# Allegro board MK60_PACK_V30A.brd (continued)
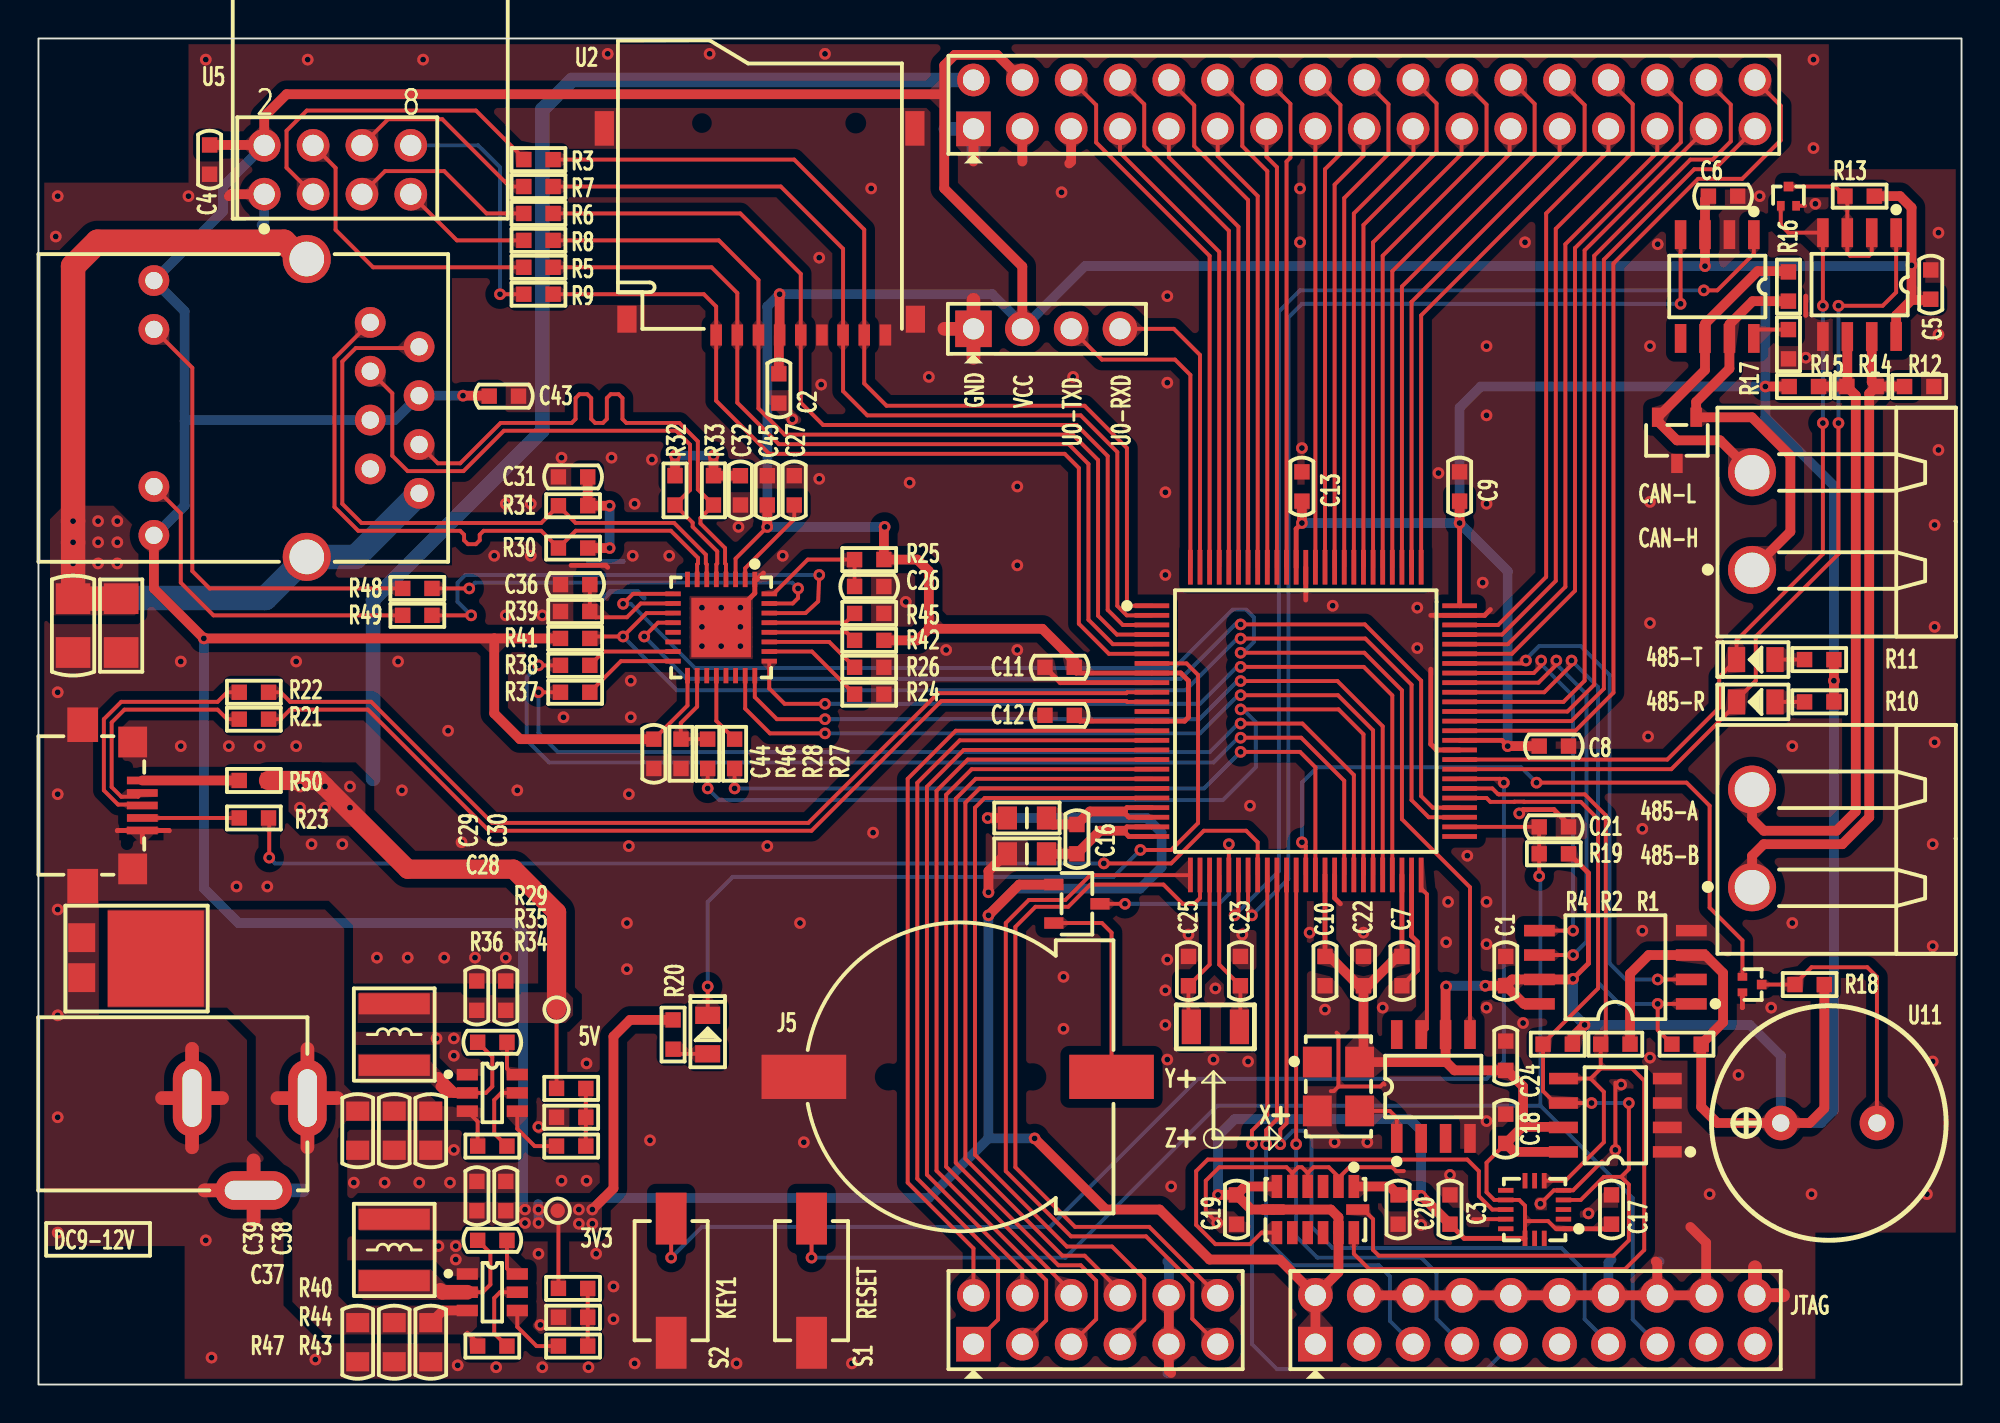
[diagram p0: board, top side]
## Routing (per net, layer and track width the routed paths; a pad name or vN(x,y) marks a point on that pad's centre or on a via; arc(x,y) is an arc through that point)
GND: length 172.6
  TOP w0.203: U9.5 65.2,11 ; 65.2,11 65.5,11.3 65.7,11.3 66,11 ; 65.2,11 64.9,11.3 61.4,11.3 60.7,10.6 60.7,9 v1(61.3,8.4) ; 67.5,18.3 67.6,18.2 67.6,15.5 ; Q1.2 91.87,61.3 ; U10.12 74.6,8.6 ; U9.2 67.6,10.73 ; 67.6,10.73 68.17,11.3 70.4,11.3 70.6,11.1 71,11.1 ; 67.6,10.73 67.6,10.8 67.1,11.3 66.3,11.3 66,11 ; 67.6,15.5 67.36,15.26 67.2,15.26 ; 67.6,15.5 69.78,15.5 69.94,15.66 70,15.6 ; 66,11 U9.4 ; 81.3,11.6 79.8,10.1 U10.5 78.8,10.1 v1(78.1,9.4) ; v1(82,12.2) 82,15.7
  TOP w0.254: 88.6,19.6 88.61,19.61 Q2.2 ; 91.9,56.6 91.9,55.6 ; 67.7,25 67.4,25.3 U1.41 ; C7.1 71.7,21.54 71.7,23.02 71.4,23.32 U1.49 ; USB1.5 6.79,28.81 6.8,28.8 ; USB1.5 4.11,28.81 4.1,28.8 ; USB1.5 5.4,28.2 ; U1.9 53.14,36.5 C11.1 ; 37.7,42.2 37.37,41.87 U13.1 37.25,41.15 v1(36.5,40.4) ; 72.4,40 U1.74 75.2,40 75.5,40.3 ; C21.2 79.56,29.14 78.8,29.9 77.2,29.9 v1(77,29.7) ; 27.7,42.6 29.5,42.6 29.6,42.5 ; 72.4,37.2 72.4,33.3 72.7,33 U1.60 ; U1.88 65.9,40.8
  TOP w0.508: J7.16 J7.14 J7.12 J7.10 J7.8 J7.6 J7.4 ; J7.16 84.18,6.32 84.1,6.4 ; J7.16 J7.18 86.72,7.37 85.9,8.2 ; v1(49.4,25.6) 49.4,26.7 50.3,27.6 L2.1 ; J1.10 J1.9 58.78,0.72 58.9,0.6 ; J2.3 51.16,63.6 ; 53.6,63.5 53.7,63.6 J2.5 ; J2.1 48.62,63.6 ; U5.1 10,61.9 9.9,61.8
  TOP w0.711: DC1.2 7.99,17.46 ; DC1.2 9.55,14.9 ; DC1.2 7.99,12.34 ; DC1.2 6.43,14.9 ; DC1.3 11.19,11.66 ; DC1.3 11.19,8.54 ; DC1.3 8.63,10.1 ; 48.62,53.39 J6.1 ; J6.1 48.62,56.41 ; J6.1 47.11,54.9 ; 90.72,4.64 J7.20 89.26,6.1
  BOTTOM w0.254: 31.5,40.9 31.16,41.23 29.73,41.23 29.3,40.8 29.2,40.8 ; 28.6,42.8 30.4,42.8 30.4,42.8
  BOTTOM w0.508: J2.3 51.16,63.74 51.2,63.7 ; J2.5 53.7,63.74 ; 84.3,6.4 84.18,6.28 J7.16 ; 58.7,0.6 58.78,0.68 J1.9 J1.10 58.78,6.32 58.7,6.4 ; 11.6,60.3 11.74,60.44 U5.1 ; J7.14 81.64,6.34 81.8,6.5 ; J7.18 86.72,6.28
  BOTTOM w0.711: DC1.3 11.19,11.66 ; DC1.3 8.63,10.1 ; DC1.3 11.19,8.54 ; DC1.3 13.75,10.1 ; DC1.2 9.55,14.9 ; DC1.2 7.99,17.46 ; DC1.2 7.99,12.34 ; DC1.2 6.43,14.9 ; 48.62,53.39 J6.1 47.11,54.9 ; 89.26,6.1 J7.20 90.72,4.64 ; 48.62,63.84 J2.1 47.16,65.3
  vias: v1(0.9,59.7) v1(1,61.8) v1(1,36) v1(1,30.7) v1(1,24.7) v1(1,19.2) v1(1,13.9) v1(1,7.9) v1(7.4,37.6) v1(7.4,33.2) v1(7.8,61.8) v1(8.7,68.9) v1(8.7,7.5) v1(9,1.4) v1(9.9,33.2) v1(10.3,25.9) v1(11.5,33.2) v1(11.9,25.9) v1(13.4,37.6) v1(13.4,33.2) v1(14,68.9) v1(14.2,28.1) v1(14.4,1.3) v1(15.8,28.1) v1(16.4,10.5) v1(17.6,22.2) v1(18,10.5) v1(18.7,37.6) v1(18.9,30.9) v1(19.2,22.2) v1(19.8,10.5) v1(20,68.9) v1(20.7,18) v1(20.8,7.2) v1(21.1,22.2) v1(21.3,34) v1(21.4,10.5) v1(21.6,18) v1(21.6,17.1) v1(21.6,12.2) v1(21.7,7.2) v1(21.7,6.5) v1(21.8,1) v1(22,28.2) v1(22.7,22.2) v1(23.7,43.1) v1(23.8,0.9) v1(24.3,45.8) v1(24.3,40) v1(24.3,22.2) v1(24.9,30.9) v1(25.6,45.8) v1(25.6,43.1) v1(26,13.4) v1(26,6.8) v1(26.1,3.1) v1(26.2,40) v1(26.2,0.9) v1(27.2,48.2) v1(27.2,10.6) v1(27.3,34.7) v1(28.5,16.7) v1(28.5,10.6) v1(28.6,0.9) v1(29,6.8) v1(29.6,69.2) v1(29.8,48.2) v1(29.9,5.1) v1(29.9,3.4) v1(30.6,24) v1(30.6,21.6) v1(30.7,30.7) v1(30.7,28) v1(30.8,36.6) v1(30.8,34.7) v1(30.9,43.1) v1(31,45.8) v1(31,1.1) v1(31.8,12.7) v1(31.9,48.1) v1(32.8,43.1) v1(34.5,40.4) v1(34.5,39.4) v1(34.5,38.4) v1(34.9,69.2) v1(35.5,40.4) v1(35.5,38.4) v1(36.3,1.1) v1(36.4,44.6) v1(36.5,39.4) v1(36.5,38.4) v1(37.9,28) v1(38.7,43.1) v1(39.2,50.2) v1(39.6,24) v1(39.8,12.6) v1(40.6,58.6) v1(40.6,47.1) v1(40.7,52) v1(40.9,69.2) v1(42.3,1.1) v1(43.3,62.2) v1(43.4,28.7) v1(45.1,40.7) v1(45.3,46.9) v1(46.3,52.4) v1(47.2,38.2) v1(50.9,46.7) v1(50.9,42.6) v1(50.9,38.2) v1(53.2,62) v1(53.3,21.2) v1(53.3,18.5) v1(53.8,52.4) v1(58.6,46.4) v1(58.6,42.1) v1(58.6,20.5) v1(58.6,18.7) v1(58.7,56.6) v1(58.7,52.1) v1(58.7,22.1) v1(58.7,16.9) v1(58.9,10.3) v1(59.8,23.4) v1(61.1,16.9) v1(61.2,20.6) v1(62.6,23.4) v1(62.9,16.8) v1(63,30.1) v1(65.6,62.2) v1(65.6,59.4) v1(65.7,48.7) v1(66.1,23.5) v1(66.9,19.5) v1(67.3,40.5) v1(67.4,12.6) v1(68.9,23.5) v1(69.1,12.6) v1(69.9,19.6) v1(71.7,40.4) v1(71.7,38.3) v1(71.9,8.3) v1(72.8,47.4) v1(73.2,23) v1(73.3,25.1) v1(73.4,10.9) v1(74.3,27.5) v1(75.1,41.7) v1(75.3,54) v1(75.3,50.4) v1(75.3,45.8) v1(75.3,25.1) v1(75.3,22.9) v1(75.3,19.6) v1(75.3,13.7) v1(77.2,18.8) v1(77.3,59.4) v1(80.6,8.9) v1(82.3,15.6) v1(83.4,28.9) v1(83.4,23.6) v1(83.7,33.7) v1(83.8,54) v1(83.8,45.9) v1(83.8,39.6) v1(83.8,17) v1(84.2,59.3) v1(86.9,9.9) v1(88.4,16.1) v1(89.5,61.8) v1(90.1,19.6) v1(91.2,33.2) v1(91.2,24) v1(91.9,53.4) v1(92.2,9.9) v1(92.3,68.9) v1(92.3,64.3) v1(92.4,61.4) v1(98.2,9.9) v1(98.5,28.1) v1(98.5,22.8) v1(98.5,16.8) v1(98.6,44.7) v1(98.6,39.4) v1(98.6,33.4) v1(98.8,59.9) v1(98.8,54.6) v1(98.8,48.6)
GND_EARTH: length 52.9
  TOP w1.27: J8.13 13.67,58.53 12.77,59.43 3.07,59.43 1.8,58.16 v1(1.8,44.9) v1(1.8,43.8) v1(1.8,42.7) C46.2 R51.1
  BOTTOM w1.27: J8.8 16.49,43.04 J8.14 13.94,43.04 11.8,40.9 2,40.9
  vias: v1(3.1,44.9) v1(3.1,43.8) v1(3.1,42.7) v1(4.1,44.9) v1(4.1,43.8) v1(4.1,42.7)
VBAT: length 11.1
  TOP w0.203: U1.30 v1(61.9,28.1) ; v1(56.5,25) D3.3
  BOTTOM w0.203: v1(56.5,25) 61.4,25 61.9,25.5 v1(61.9,28.1)
VCC_3.3V: length 689.5
  TOP w0.203: v1(37.9,44.6) 36.25,42.95 U13.3 ; 77.3,8.5 78.5,8.5 78.9,8.1 U10.1 ; 77.3,8.5 77.3,9.3 77,9.6 U10.10 75.7,9.6 75.3,10 75.3,11.54 C18.1 ; 77.3,8.5 U10.14 ; C44.2 33.75,35.31 U13.17 ; R40.1 27.04,8.37
  TOP w0.254: U1.61 76.1,33.5 v1(76.4,33.2) ; C3.2 74.14,7.6 U10.14 ; C12.2 54.16,34.5 U1.13 59.6,34.5 59.8,34.7 59.8,36.6 59.4,37 U1.8 53.96,37 53.86,37.1 C11.2 ; v1(79.8,21.1) 80.6,21.9 80.6,26.6 79.6,27.6 R19.2 ; U1.89 65.4,44.5 v1(65.7,44.8) ; C17.1 81.56,8.1 U10.1 ; U1.75 v1(73.9,44.8) ; U1.48 C7.2 ; U1.40 C10.2
  TOP w0.508: v1(22.08,51.42) 23.41,51.42 C43.1 ; 47.1,67.1 12.9,67.1 11.74,65.94 U5.2 11.72,64.46 C4.1 ; 47.1,67.1 47.1,68.6 47.65,69.15 49.85,69.15 J2.4 ; 47.1,67.1 47.1,62.2 51.16,58.14 J6.2 ; R41.1 23.7,38.8 ; 23.7,38.8 23.7,34.9 25.04,33.56 C44.2 ; 23.7,38.8 v1(8.6,38.8) 6,41.4 J8.12 ; C20.1 70.76,9.8 v1(71.9,9.8) ; C20.1 70.26,10.3 U9.1 ; C20.1 71.88,9.86 C3.2 ; 78.05,19.8 77.24,19.8 C1.1 ; C2.2 38.5,54.54 U2.4 v1(38.54,56.7) ; J7.2 64.54,6.5 60.9,6.5 58.3,9.1 55.5,9.1 v1(51.8,12.8) ; J7.2 67.6,5.84 U9.12 67.6,8.7 67.2,9.1 U9.7 63.06,9.1 C19.1 ; J7.2 J7.1 ; R18.1 92.86,14.36 92.1,13.6 U11.1 87.3,13.6 86.46,14.44 R1.1 87.6,18.84 87.6,21.4 86.67,22.34 U3.3 83.73,22.34 82.76,21.36 R2.2 ; 97.4,56.4 98.36,56.4 C5.2 ; 97.4,56.4 v1(97.4,58.2) 97.4,61.2 96.8,61.8 R13.1 ; 97.4,56.4 96.6,55.6 U6.8 ; C11.2 53.86,37.64 52.2,39.3 46.3,39.3 ; 46.3,39.3 46.3,42.3 45.7,42.9 R25.1 43.96,44.56 v1(44,44.6) ; 46.3,39.3 45.7,38.7 R42.2 ; R10.2 v1(93.36,36.6) R11.2 ; C22.2 68.9,16.97 X2.4 73.14,16.77 73.17,16.8 ; C22.2 68.66,20.74 67.14,22.26 C10.2 ; C22.2 69.14,20.74 70.66,22.26 C7.2 ; U4.8 76.74,12.1 C18.1 77.16,13.4 77.2,13.4 ; C8.2 v1(76.4,33.2) ; L1.1 v1(49.36,29.46) ; C6.1 86.66,61.62 U7.3 v1(86.66,58.16) ; 77.2,13.4 77.2,15.5 76.36,16.34 C24.2 73.63,16.34 73.17,16.8 ; 77.2,13.4 79.27,13.4 U4.7 ; U9.6 62.74,10.3 C19.1 ; C45.2 v1(37.9,44.6) ; v1(49.4,24.4) 51,26 D3.1 ; R15.2 v1(89.8,51.9) ; C1.1 76.63,21.07 U3.7 79.77,21.07 v1(79.8,21.1) ; C1.1 v1(75.24,20.74) ; R20.2 30.76,18.96 29.9,18.1 29.9,10.2 v1(28.8,9.1) ; v1(80.4,18.7) 79.76,18.06 R4.2 ; C9.2 v1(73.9,44.8) ; C13.2 v1(65.7,44.8) ; 73.17,16.8 U12.6 73.17,20.67 v1(73.2,20.7) ; C19.1 v1(61.34,9.86)
  BOTTOM w0.508: v1(28.8,9.1) 29.4,9.7 46.3,9.7 49.4,12.8 ; v1(73.9,44.8) 73.9,50.8 75,51.9 v1(89.8,51.9) ; v1(73.9,44.8) 76.4,42.3 v1(76.4,33.2) ; v1(73.9,44.8) v1(65.7,44.8) ; J8.12 6.06,44.16 7.6,45.7 7.6,50.1 ; 7.6,50.1 7.6,55.81 J8.9 9.6,61.01 9.6,62.3 U5.2 ; 7.6,50.1 7.65,50.15 J8.5 18.52,50.15 J8.4 v1(22.08,51.42) ; v1(79.8,21.1) 79.8,19.3 v1(80.4,18.7) 89,18.7 90.6,17.1 U11.1 92.7,13.6 93.36,14.26 v1(93.36,36.6) 93.36,46.74 89.8,50.3 v1(89.8,51.9) ; v1(73.2,20.7) 73.24,20.74 v1(75.24,20.74) ; 49.4,12.8 v1(49.4,24.4) 50.79,25.79 57.29,25.79 58.4,26.9 58.4,28.7 57.64,29.46 v1(49.36,29.46) ; 49.4,12.8 v1(51.8,12.8) ; 25.99,9.38 25.99,9.11 v1(26,9.1) v1(26,8.4) ; 89.7,58.16 v1(86.66,58.16) 54.42,58.16 J6.2 51.16,55.14 49.6,56.7 v1(38.54,56.7) 37.9,56.06 v1(37.9,44.6) v1(44,44.6) ; 89.7,58.16 97.36,58.16 v1(97.4,58.2) ; 89.7,58.16 89.8,58.06 v1(89.8,51.9) ; v1(61.34,9.86) 61.34,12.94 62.2,13.8 71.3,13.8 71.9,13.2 v1(71.9,9.8) ; v1(25.3,9.1) 25.2,9.2 25.2,23.49 24.69,24 10.4,24 8.6,25.8 v1(8.6,38.8)
  vias: v1(25.3,8.4) v1(28.1,9.1) v1(28.1,8.36) v1(28.8,8.36)
VCC_5V: length 88.5
  TOP w0.203: R29.1 TP1.1
  TOP w1: TP1.1 26.94,24.56 24.7,26.8 19.2,26.8 v1(14.9,31.1) 14.59,31.41 R50.2
  BOTTOM w0.762: 17.4,31.5 17.4,40.8 26.2,49.6 26.2,66.3 27.74,67.84 J2.2
  vias: v1(13.6,31.1) v1(13.6,30) v1(14.9,30) v1(16.2,31.1) v1(16.2,30)
VCC_12V: length 13.4
  TOP w0.203: U14.3 22.84,13.68 R36.1 ; 22.3,2.7 22.84,2.16 R47.1
  TOP w0.508: C40.1 21.03,3.85 U15.3
  TOP w0.711: 12.43,14.9 DC1.1 ; DC1.1 13.99,17.46 ; DC1.1 15.55,14.9 ; DC1.1 13.99,12.34
VDDA3V3: length 7.6
  TOP w0.254: U1.23 56.7,29.5 56.4,29.8 56.6,30 U1.22
  TOP w0.508: L1.2 52.75,29.12 C16.1 54.68,29.8 56.4,29.8
VSSA: length 7.7
  TOP w0.254: U1.24 56.6,29 56.4,28.8 56.7,28.5 U1.25
  TOP w0.508: 56.4,28.8 55.2,28.8 C16.2 L2.2
485_R: length 45.1
  TOP w0.203: v1(93.6,56.1) 95.9,56.1 96.6,56.8 U6.1 ; v1(93.6,50) 93.6,43.2 89.3,38.9 89.3,36.6 88.3,35.6 D1.2 88.3,35.39 84.91,32 U1.58
  BOTTOM w0.203: v1(93.6,56.1) v1(93.6,50)
485_T: length 44.9
  TOP w0.203: v1(92.79,56.1) U6.4 91,59.9 90.6,60.3 Q1.1 ; v1(92.79,50) 92.79,43.19 88.3,38.7 D2.2 87.4,36.8 87.4,35.2 84.7,32.5 U1.59
  BOTTOM w0.203: v1(92.79,56.1) v1(92.79,50)
AD0_DM1: length 44.6
  TOP w0.203: U1.15 47.91,33.5 45.7,31.29 45.7,10.71 49.9,6.51 49.9,3.38 J1.1
AD0_DP1: length 42
  TOP w0.203: U1.14 47.7,34 45.2,31.5 45.2,10.5 48.62,7.08 J1.2
AD1_DM1: length 43.5
  TOP w0.203: U1.17 48.32,32.5 46.7,30.88 46.7,11.12 52.4,5.42 52.4,3.34 J1.3
AD1_DP1: length 41
  TOP w0.203: U1.16 48.11,33 46.2,31.09 46.2,10.91 51.16,5.95 J1.4
ADC0_DM0: length 43.2
  TOP w0.203: U1.19 48.74,31.5 47.7,30.46 47.7,11.54 53.04,6.2 54.2,6.2 55,5.4 55,3.4 J1.5
ADC0_DP0: length 40
  TOP w0.203: J1.6 53.7,4.83 47.2,11.33 47.2,30.67 48.53,32 U1.18
ADC1_DM0: length 42.8
  TOP w0.203: J1.7 57.5,3.36 57.5,5.5 55.83,7.17 53.48,7.17 48.7,11.95 48.7,30 49.2,30.5 U1.21
ADC1_DP0: length 39.6
  TOP w0.203: U1.20 48.94,31 48.2,30.26 48.2,11.74 53.24,6.7 54.4,6.7 56.24,4.86 J1.8
ADXL_INT: length 25.8
  TOP w0.203: U9.8 63.6,7.9 63,7.3 61.2,7.3 60.2,8.3 60.2,11.1 60.8,11.7 74.3,11.7 74.9,11.1 74.9,9.8 75.6,9.1 U10.11
BUZZER: length 36.8
  TOP w0.203: U1.38 65.9,28 v1(65.7,28.2) ; Q2.1 88.61,23.09 86.9,24.8 86.9,30.1 85.7,31.3 v1(77.9,31.3)
  BOTTOM w0.203: v1(65.7,28.2) 65.7,31.3 66.5,32.1 77.1,32.1 v1(77.9,31.3)
CAN1_RX: length 58.3
  TOP w0.203: U7.4 v1(85.39,56.2) ; v1(63.1,24.4) 62.9,24.6 U1.32
  BOTTOM w0.203: v1(63.1,24.4) 64.99,26.29 64.99,37.99 65,38 65,55.5 65.7,56.2 v1(85.39,56.2)
CAN1_TX: length 61.5
  TOP w0.203: v1(86.6,56.9) 87.3,56.9 89.2,58.8 U7.1 ; U1.31 62.4,24.6 v1(62.2,24.4)
  BOTTOM w0.203: v1(62.2,24.4) 64.5,26.7 64.5,55.8 65.6,56.9 v1(86.6,56.9)
CAN_H: length 21.6
  TOP w0.508: J4.1 91.1,44.35 91.1,48.3 89.1,50.3 U8.1 86.2,51.1 87.93,52.83 U7.7 87.93,55.13 89.14,56.34 R16.2
CAN_L: length 17.6
  TOP w0.508: R16.1 90.96,57.9 89.4,57.9 86.66,55.16 U7.6 86.66,52.76 U8.2 84.2,50.1 85.2,49.1 87.45,49.1 J4.2
CE: length 17.7
  TOP w0.203: U5.3 12.9,63.28 12.9,65.2 13.95,66.25 22.75,66.25 25.24,63.76 R3.1
CLK_50M_MK60: length 8.5
  TOP w0.203: U12.7 72.2,18.5 72.2,25.5 71.9,25.8 U1.50
CONFIG0: length 4.6
  TOP w0.203: U13.28 42.02,39.12 R42.1
CONFIG1: length 4.6
  TOP w0.203: U13.29 41.96,39.62 R45.1
CONFIG2: length 5.1
  TOP w0.203: U13.18 34.25,35.25 33.4,34.4 33.4,33.57 R46.1 R28.2
DAC0_OUT: length 38
  TOP w0.203: J1.12 57.76,8.2 53.9,8.2 50.8,11.3 50.8,23.8 51.84,24.84 53.55,24.84 54.7,26 58.5,26 59.5,25 60.1,25 60.4,25.3 U1.27
DN: length 12.4
  TOP w0.203: R21.1 9.81,34.6 9.31,35.1 4.47,35.1 3.81,34.43 3.81,31.07 4.31,30.57 5.18,30.57 5.38,30.76 USB1.2
DP: length 13.6
  TOP w0.203: R22.1 9.81,36 9.31,35.5 4.3,35.5 3.4,34.6 3.4,30.9 4.14,30.16 5.33,30.16 5.37,30.11 USB1.3
EXTAL32: length 8.4
  TOP w0.203: U1.29 61.4,21.84 C23.2 62.5,18.65 X1.1
I2C_SCL: length 55
  TOP w0.203: 82.3,10.8 82.7,10.4 82.7,7.5 81.9,6.7 69.7,6.7 69.4,7 69.4,8.6 68.9,9.1 U9.14 ; 82.3,10.8 81.4,10.8 80.2,9.6 U10.4 ; 82.3,10.8 82.7,11.2 v1(82.7,14.64) ; U1.55 75.3,30.5 75.5,30.3 76.74,30.3 76.75,30.31 77.25,30.31 77.26,30.3 80.2,30.3 81.1,29.4 81.1,20.6 78.24,17.74 R4.1 78.24,15.26 78.86,14.64 U4.6 v1(80.76,14.64)
  BOTTOM w0.203: v1(80.76,14.64) v1(82.7,14.64)
I2C_SDA: length 59.4
  TOP w0.203: U4.5 80.71,15.91 ; 80.71,15.91 81.24,16.44 ; 80.71,15.91 81.4,15.22 81.4,12.6 79.4,10.6 U10.6 ; 81.24,16.44 82.86,16.44 83.5,15.8 83.5,7 82.5,6 69.2,6 68.4,6.8 U9.13 ; 81.24,16.44 R2.1 81.5,17.96 81.5,29.6 80.41,30.69 75.95,30.69 75.94,30.7 75.9,30.7 75.6,31 U1.56
JTAG_TCLK: length 39.3
  TOP w0.203: U1.34 63.9,14 63.1,13.2 v1(63.1,12.5)
  BOTTOM w0.203: J7.9 76.56,2.06 75.3,0.8 64.4,0.8 63.1,2.1 v1(63.1,12.5)
JTAG_TDI: length 30.4
  TOP w0.203: v1(63.84,12.5) 63.84,13.23 64.4,13.79 U1.35
  BOTTOM w0.203: v1(63.84,12.5) 63.84,7.56 65.2,6.2 69.7,6.2 70.28,5.62 70.28,3.3 J7.5
JTAG_TDO: length 40.3
  TOP w0.203: U1.36 64.9,13.59 64.57,13.26 v1(64.57,12.5)
  BOTTOM w0.203: J7.13 81.64,2.16 80.4,3.4 80.4,5.9 79.2,7.1 67.3,7.1 66.2,8.2 66.2,12.8 65.8,13.2 65.24,13.2 64.57,12.54 v1(64.57,12.5)
JTAG_TMS: length 31.1
  TOP w0.203: v1(65.4,12.5) U1.37
  BOTTOM w0.203: v1(65.4,12.5) 65.4,7.7 66.5,6.6 71.9,6.6 72.7,5.8 72.7,3.42 J7.7
KEY1: length 66.4
  TOP w0.203: U1.57 76,31.5 v1(76.2,31.3) ; v1(32.9,6.6) S2.2
  BOTTOM w0.203: v1(32.9,6.6) 34.5,8.2 52.6,8.2 60.3,15.9 75.3,15.9 76.2,16.8 v1(76.2,31.3)
LED0/NWAYEN: length 27.2
  TOP w0.203: U13.30 39.89,40.12 40.55,40.73 v1(40.6,42.1) ; R49.1 v1(22.5,40)
  BOTTOM w0.203: v1(40.6,42.1) 22.2,42.1 21.79,41.69 21.79,40.71 v1(22.5,40)
LED1: length 43.4
  TOP w0.203: v1(34.8,20.7) D4.2 ; v1(57.3,27.8) 58.9,27.8 60.3,29.2 60.3,36.9 59.7,37.5 U1.7
  BOTTOM w0.203: v1(34.8,20.7) 34.8,25.1 36.1,26.4 55.9,26.4 v1(57.3,27.8)
LED1/SPEED: length 21.4
  TOP w0.203: U13.31 39.22,40.62 39.5,40.9 v1(39.5,41.4) ; R48.1 v1(22.4,41.4)
  BOTTOM w0.203: v1(39.5,41.4) 39.2,41.7 22.7,41.7 v1(22.4,41.4)
NRF_IRQ: length 13
  TOP w0.203: R9.1 v1(24,56.7)
  BOTTOM w0.203: v1(24,56.7) 24,63.3 22.86,64.44 U5.8
PHY_CLK: length 69.2
  TOP w0.203: U13.9 30.92,41.12 v1(30.4,40.6) ; v1(62.51,38.06) 68.94,38.06 70.9,36.1 70.9,29.4 74.44,25.86 U12.5
  BOTTOM w0.203: v1(62.51,38.06) 62.64,38.06 63.2,38.62 63.2,39.9 62.8,40.3 62.1,40.3 59.06,37.26 34.14,37.26 30.8,40.6 v1(30.4,40.6)
PTB16: length 46.2
  TOP w0.203: J2.34 90.6,66.5 90.6,64.71 88.59,62.7 86.3,62.7 81.9,58.3 81.9,35.98 79.92,34 U1.62
PTB17: length 41.2
  TOP w0.203: U1.63 79.71,34.5 81.4,36.19 81.4,58.5 86.1,63.2 87.16,63.2 J2.33
PTB18: length 43.2
  TOP w0.203: U1.64 79.51,35 80.9,36.39 80.9,58.7 85.9,63.7 87.05,63.7 88,64.65 88,66.56 J2.32
PTB19: length 38.3
  TOP w0.203: J2.31 80.4,58.98 80.4,36.6 79.3,35.5 U1.65
PTC0: length 36.7
  TOP w0.203: U1.70 76.62,38 79.9,41.28 79.9,59.1 85.4,64.6 85.4,66.62 J2.30
PTC1: length 32.5
  TOP w0.203: J2.29 84.18,64.08 79.4,59.3 79.4,41.49 76.41,38.5 U1.71
PTC2: length 34.4
  TOP w0.203: U1.72 76.11,39 78.9,41.79 78.9,60.1 82.9,64.1 82.9,66.58 J2.28
PTC3: length 30.2
  TOP w0.203: U1.73 75.9,39.5 78.4,42 78.4,60.9 81.64,64.14 J2.27
PTC4: length 29.4
  TOP w0.203: J2.26 80.4,66.54 80.4,64.1 71.9,55.6 U1.76
PTC5: length 26
  TOP w0.203: U1.77 71.4,56.3 79.1,64 J2.25
PTC6: length 28.7
  TOP w0.203: J2.24 77.8,66.6 77.8,64 70.9,57.1 U1.78
PTC7: length 25.4
  TOP w0.203: U1.79 70.4,57.9 76.5,64 76.5,65.24 J2.23
PTC8: length 28.1
  TOP w0.203: J2.22 75.3,66.56 75.3,64.1 69.9,58.7 U1.80
PTC9: length 24.7
  TOP w0.203: J2.21 74,65.28 74,64 69.4,59.4 U1.81
PTC10: length 27.4
  TOP w0.203: U1.82 68.9,60.3 72.7,64.1 72.7,66.62 J2.20
PTC11: length 24.1
  TOP w0.203: U1.83 68.4,60.9 71.5,64 71.5,65.28 J2.19
PTC12: length 26.8
  TOP w0.203: J2.18 70.2,66.58 70.2,64 67.9,61.7 U1.84
PTC13: length 23.4
  TOP w0.203: U1.85 67.4,62.4 68.9,63.9 68.9,65.26 J2.17
PTC14: length 26.2
  TOP w0.203: J2.16 67.7,66.54 67.7,64 66.9,63.2 U1.86
PTC15: length 22.8
  TOP w0.203: U1.87 J2.15
PTC16: length 25.9
  TOP w0.203: J2.14 65.1,66.6 65.1,63.8 64.9,63.6 U1.90
PTC17: length 23
  TOP w0.203: J2.13 63.86,63.85 64.4,63.31 U1.91
PTC18: length 26.4
  TOP w0.203: J2.12 62.6,66.56 62.6,64.4 63.9,63.1 U1.92
PTD0: length 23.7
  TOP w0.203: J2.11 61.32,63.89 63.4,61.81 U1.93
PTD1: length 27
  TOP w0.203: U1.94 62.9,61.6 60.1,64.4 60.1,66.52 J2.10
PTD2: length 24.3
  TOP w0.203: J2.9 58.78,63.83 62.4,60.21 U1.95
PTD3: length 27.7
  TOP w0.203: U1.96 61.9,60 57.5,64.4 57.5,66.58 J2.8
PTD4: length 24.9
  TOP w0.203: J2.7 56.24,64.06 61.4,58.9 U1.97
PTD5: length 28.3
  TOP w0.203: U1.98 60.9,58.69 55,64.59 55,66.54 J2.6
RMII0_CRS_DV: length 48.1
  TOP w0.203: U1.44 68.9,33.81 67.6,35.11 v1(62.51,35.11) ; R28.1 v1(34.8,31)
  BOTTOM w0.203: v1(34.8,31) 35.41,30.39 61.59,30.39 63.3,32.1 63.3,34.45 62.64,35.11 v1(62.51,35.11)
RMII0_MDC: length 53.7
  TOP w0.203: v1(62.51,39.53) 68.97,39.53 71.9,36.6 71.9,30.6 72.5,30 U1.54 ; U13.12 32.22,39.62 v1(31.5,38.9)
  BOTTOM w0.203: v1(62.51,39.53) 62.23,39.53 59.4,36.7 33.7,36.7 v1(31.5,38.9)
RMII0_MDIO: length 58
  TOP w0.203: v1(62.51,38.79) 69,38.79 71.4,36.39 71.4,30.39 72.29,29.5 U1.53 ; U13.11 31.62,40.12 v1(30.4,38.9) 28.77,38.9 R41.2
  BOTTOM w0.203: v1(62.51,38.79) 62.33,38.79 59.65,36.1 33.2,36.1 v1(30.4,38.9)
RMII0_RXD0: length 53
  TOP w0.203: v1(62.51,34.37) 65.73,34.37 68.4,31.7 U1.43 ; R37.1 v1(26,36)
  BOTTOM w0.203: v1(62.51,34.37) 62.39,34.37 60.9,32.89 27.01,32.89 26,33.9 v1(26,36)
RMII0_RXD1: length 54.6
  TOP w0.203: v1(62.51,33.64) 65.66,33.64 67.9,31.4 U1.42 ; R38.1 v1(26,37.4)
  BOTTOM w0.203: v1(26,37.4) 25.39,36.79 25.39,33.51 26.55,32.35 61.1,32.35 62.39,33.64 v1(62.51,33.64)
RMII0_RXER: length 38
  TOP w0.203: R27.1 v1(36.2,31) ; v1(62.51,32.9) 65.6,32.9 66.4,32.1 U1.39
  BOTTOM w0.203: v1(36.2,31) 60.61,31 v1(62.51,32.9)
RMII0_TXD0: length 43.8
  TOP w0.203: U1.46 69.9,34.23 67.55,36.58 v1(62.51,36.58) ; v1(40.9,34.6) 38.4,34.6 37.25,35.75 U13.24
  BOTTOM w0.203: v1(62.51,36.58) 62.35,36.58 60.36,34.6 v1(40.9,34.6)
RMII0_TXD1: length 44.9
  TOP w0.203: v1(62.51,37.32) 68.92,37.32 70.4,35.84 U1.47 ; U13.25 38,36.2 38.8,35.4 v1(40.9,35.4)
  BOTTOM w0.203: v1(40.9,35.4) 60.4,35.4 62.32,37.32 v1(62.51,37.32)
RMII0_TXEN: length 44
  TOP w0.203: U1.45 69.4,34.02 67.58,35.85 v1(62.51,35.85) ; v1(40.9,33.86) 38.04,33.86 36.75,35.15 U13.23
  BOTTOM w0.203: v1(40.9,33.86) 60.4,33.86 62.39,35.85 v1(62.51,35.85)
RS485_A: length 34
  TOP w0.508: R14.1 94.5,51.44 94.5,29.8 93.5,28.8 89.71,28.8 89.11,29.41 J3.2 ; R14.1 94.06,51.92 U6.6 ; R14.1 R15.1
RS485_B: length 35.3
  TOP w0.508: R14.2 95.33,52.13 U6.7 ; R14.2 95.2,51.54 95.2,29.5 93.8,28.1 89.71,28.1 89.11,27.49 J3.1 ; R14.2 R12.2
RXN: length 29.5
  TOP w0.203: J8.6 20.77,47.91 21.93,47.91 24.03,50.01 27.73,50.01 27.93,50.21 27.93,51.3 28.13,51.5 28.54,51.5 28.74,51.3 28.74,50.21 28.95,50.01 29.35,50.01 29.56,50.21 29.56,51.3 29.76,51.5 30.16,51.5 30.37,51.3 30.37,50.21 30.57,50.01 33.33,50.01 34.29,49.05 34.29,46.55 R33.1 34.42,45.06 34.42,44.78 35.7,43.5 35.7,42.7 35.75,42.65 U13.4
RXP: length 30.1
  TOP w0.203: J8.3 18.4,51.55 18.4,48.3 19.2,47.5 22.1,47.5 24.2,49.6 33.16,49.6 33.88,48.88 33.88,46.52 R32.1 34.02,44.82 34.02,44.61 35.3,43.33 35.3,42.7 35.25,42.65 U13.5
SDHC0_CMD: length 48.3
  TOP w0.203: U1.4 56.08,39 55.1,39.98 55.1,48.08 53.78,49.4 38.8,49.4 37.44,50.76 U2.3 37.44,57.44 35.38,59.5 R8.2
SDHC0_D0: length 49.4
  TOP w0.203: U1.2 56.59,40 56.1,40.49 56.1,48.49 54.19,50.4 43.1,50.4 41.84,51.66 U2.7 41.84,59.06 38.6,62.3 R7.2
SDHC0_D1: length 50.1
  TOP w0.203: U1.1 56.8,40.5 56.6,40.7 56.6,48.7 54.4,50.9 44.1,50.9 42.94,52.06 U2.8 42.94,60.06 39.3,63.7 R3.2
SDHC0_D2: length 46.5
  TOP w0.203: R9.2 34.6,56.7 35.24,56.06 U2.1 35.24,51.16 38,48.4 53.36,48.4 54.1,47.66 54.1,39.56 55.66,38 U1.6
SDHC0_D3: length 47.3
  TOP w0.203: R5.2 35,58.1 36.34,56.76 U2.2 36.34,51.06 38.5,48.9 53.57,48.9 54.6,47.87 54.6,39.77 55.87,38.5 U1.5
SDHC0_DCLK: length 48.6
  TOP w0.203: R6.2 36.5,60.9 39.64,57.76 U2.5 39.64,51.06 40.8,49.9 53.99,49.9 55.6,48.29 55.6,40.29 56.39,39.5 U1.3
SPI1_PCS0: length 15.5
  TOP w0.203: U5.4 15.45,63.27 15.45,60.05 17.4,58.1 R5.1
SPI1_SCK: length 9.8
  TOP w0.203: R6.1 23.3,60.9 21.1,63.1 18.02,63.1 U5.5
SPI1_SIN: length 6.9
  TOP w0.203: R8.1 21.76,59.5 U5.7
SPI1_SOUT: length 10.4
  TOP w0.203: U5.6 18.18,65.8 21,65.8 24.5,62.3 R7.1
SPI2_PCS0: length 31.7
  TOP w0.203: v1(79.72,37.65) 79.72,37.42 78.3,36 U1.66 ; R1.2 84.2,18.44 v1(84.2,19.8) 85.95,19.8
  BOTTOM w0.203: v1(79.72,37.65) 81.1,36.27 81.1,20.9 82.2,19.8 v1(84.2,19.8)
SPI2_SCK: length 23.6
  TOP w0.203: v1(78.93,37.65) 78.93,37.43 78,36.5 U1.67 ; U3.6 v1(79.8,22.34)
  BOTTOM w0.203: v1(79.8,22.34) 80.5,23.04 80.5,35.9 78.93,37.47 v1(78.93,37.65)
SPI2_SIN: length 28.4
  TOP w0.203: U1.69 77.2,37.5 v1(77.35,37.65) ; U3.2 v1(84.2,21.07)
  BOTTOM w0.203: v1(77.35,37.65) 77.35,37.72 78.03,38.4 80.2,38.4 81.7,36.9 81.7,21.9 82.53,21.07 v1(84.2,21.07)
SPI2_SOUT: length 21.1
  TOP w0.203: U3.5 v1(79.8,23.61) ; U1.68 77.76,37 78.14,37.38 v1(78.14,37.65)
  BOTTOM w0.203: v1(78.14,37.65) 78.14,37.46 79.8,35.8 v1(79.8,23.61)
SYS_RESET#: length 76.8
  TOP w0.203: U1.52 C21.1 R19.1 v1(78.04,26.44) ; S1.1 v1(40.2,6.6)
  BOTTOM w0.203: 78.1,14.5 82.9,9.7 82.9,3.38 J7.15 ; 78.1,14.5 78.1,26.38 v1(78.04,26.44) ; 78.1,14.5 61.3,14.5 53.4,6.6 v1(40.2,6.6)
TXN: length 33.8
  TOP w0.203: J8.2 19.73,53.9 16.5,53.9 15.8,53.2 15.8,45.8 16.8,44.8 26.14,44.8 R31.1 27.93,44.81 33.05,44.81 34.7,43.16 34.7,42.7 34.75,42.65 U13.6
TXP: length 33.2
  TOP w0.203: U13.7 34.25,42.65 34.3,42.7 34.3,42.99 32.88,44.4 27.94,44.4 R30.1 26.14,44.4 23.15,44.4 22.95,44.19 22.95,43.9 22.74,43.7 22.34,43.7 22.13,43.9 22.13,44.19 21.93,44.4 16.63,44.4 15.39,45.63 15.39,53.37 17.25,55.23 J8.1
UART0_RX: length 15.8
  TOP w0.203: J6.4 59.04,54.9 60.4,53.54 U1.99
UART0_TX: length 17.2
  TOP w0.203: U1.100 59.9,52.5 59.1,53.3 55.3,53.3 J6.3
USB0_DM: length 51.6
  TOP w0.203: R21.2 12.59,34.6 13.09,35.1 17.13,35.1 23.43,28.8 40.2,28.8 46.95,35.55 56.57,35.55 56.62,35.5 U1.11
USB0_DP: length 51.6
  TOP w0.203: U1.10 56.62,36 56.57,35.95 46.78,35.95 40.03,29.21 23.59,29.21 17.3,35.5 13.09,35.5 12.59,36 R22.2
USB_ID: length 56.3
  TOP w0.203: v1(55.4,27.1) 58.9,27.1 60.6,28.8 62.8,28.8 63.4,28.2 U1.33 ; R23.2 12,29.43 v1(12,27.4)
  BOTTOM w0.203: v1(55.4,27.1) 12.3,27.1 v1(12,27.4)
VREF: length 39.4
  TOP w0.203: U1.26 59.89,26.49 54.69,26.49 53.4,25.2 51.5,25.2 50.3,24 50.3,11.1 53.7,7.71 57.59,7.71 60,5.3 60,3.42 J1.11
XTAL32: length 8.4
  TOP w0.203: X1.2 59.8,18.75 C25.2 60.9,21.84 U1.28
N17225628: length 6.8
  TOP w0.203: C28.2 23.6,17.04 23.6,15.5 23.27,15.17 U14.2
  TOP w0.508: 21.63,15.17 21.23,15.17 20.9,15.5 ; 21.63,15.17 20.8,16 ; 21.63,15.17 U14.2
N17225658: length 2
  TOP w0.203: C28.1 24.36,16.44 24.68,16.12 U14.6
N17225744: length 4
  TOP w0.203: R36.2 23.7,13.06 23.7,14.8 24.07,15.17 U14.5
N17225756: length 3
  TOP w0.203: R29.2 R35.1 R34.2
N17225768: length 3.3
  TOP w0.203: R34.1 25.8,12.4 24.9,13.3 U14.4
N17241625: length 10.7
  TOP w0.203: J5.1 55.8,23.5 55.3,24 D3.2
N17245995: length 14.2
  TOP w0.203: U11.2 95.6,21.2 95.1,21.7 92.2,21.7 91.34,20.84 R18.2 Q2.3
N17248567: length 8.6
  TOP w0.203: Q1.3 93.44,62.3 R13.2 94.06,61.68 U6.3 94.06,58.84 94.2,58.7 95.19,58.7 95.33,58.84 U6.2
N17249009: length 2.1
  TOP w0.203: U7.8 89.2,54.66 89.4,54.86 R17.2
N17252037: length 5
  TOP w0.508: USB1.1 R50.1
N17252045: length 5
  TOP w0.203: USB1.4 R23.1
N17262562: length 5
  TOP w0.203: U13.27 41.12,38.62 R26.2
N17262575: length 6.6
  TOP w0.203: C26.2 R25.2 40,42.9 38.22,41.12 U13.32
N17262605: length 5.4
  TOP w0.203: R24.2 40.22,38.12 U13.26
N17262748: length 4.9
  TOP w0.203: U13.2 36.75,42.45 39.3,45 C27.1
N17262808: length 3.7
  TOP w0.203: U13.20 35.25,34.51 R27.2
N17262939: length 6
  TOP w0.508: v1(29.7,45.7) R31.2 C31.2 ; R30.2 v1(29.7,43.5)
  BOTTOM w0.508: v1(29.7,43.5) v1(29.7,45.7)
N17262943: length 5.5
  TOP w0.508: C32.2 R33.2 v1(35.1,48.3) ; R32.2 v1(33.1,48.3)
  BOTTOM w0.508: v1(33.1,48.3) v1(35.1,48.3)
N17263025: length 6.2
  TOP w0.203: C36.1 R39.1 28.97,39.9 30.6,39.9 31.32,40.62 U13.10
N17263031: length 4.6
  TOP w0.203: R38.2 29.39,38.12 U13.15
N17263033: length 5
  TOP w0.203: U13.16 30.29,37.62 R37.2
N17263728: length 24.7
  TOP w0.203: J8.10 8,52.87 8,42.3 8.9,41.4 R48.2
N17265751: length 17.8
  TOP w0.203: J8.11 7.4,45.3 7.4,41.7 9.1,40 R49.2
N17266991: length 5.4
  TOP w0.203: U15.2 23.1,4.8 23.5,5.2 23.5,6.84 C37.2
  TOP w0.762: U15.2 21,4.8 20.9,4.9
N17267021: length 2.1
  TOP w0.203: C37.1 24.36,6.04 24.65,5.75 U15.6
N17267107: length 4.1
  TOP w0.203: R47.2 23.7,2.66 23.7,4.5 24,4.8 U15.5
N17267119: length 3
  TOP w0.203: R43.2 R44.1 R40.2
N17267139: length 3.4
  TOP w0.203: U15.4 24.9,3 25.9,2 R43.1
N17267884: length 3.1
  TOP w0.203: X2.3 70.27,14.23 70.63,13.87 U12.1
N172506400: length 1.5
  TOP w0.203: D2.1 R11.1
N172506560: length 1.5
  TOP w0.203: D1.1 R10.1
N172548550: length 1.9
  TOP w0.203: D4.1 33.24,17.2 R20.1

## Copper pours and planes (outline as drawn; the poured copper is in the pictures)
GND on TOP: 7.8,69.7 93.1,69.7 93.1,63.2 99.7,63.2 99.7,7.9 92.4,7.9 92.4,0.3 7.6,0.3 7.6,7.2 0.3,7.2 0.3,42.6 21.5,42.6 21.5,59 0.3,59 0.3,62.5 7.8,62.5 ; 53 cut-outs
GND on BOTTOM: 7.8,69.7 93.1,69.7 93.1,63.2 99.7,63.2 99.7,7.9 92.4,7.9 92.4,0.3 7.6,0.3 7.6,7.2 0.3,7.2 0.3,42.6 21.5,42.6 21.5,59 0.3,59 0.3,62.5 7.8,62.5 ; 38 cut-outs
GND_EARTH on TOP: 5,40 0.8,40 0.6,40.2 0.6,45 1.3,45.7 3.9,45.7 5.2,44.4 5.2,40.2
GND_EARTH on BOTTOM: 4.5,40 0.8,40 0.6,40.2 0.6,45 1.3,45.7 3.9,45.7 4.7,44.9 4.7,40.2
VCC_3.3V on TOP: 16.6,8.1 16.6,9.3 16.8,9.5 29.1,9.5 29.3,9.3 29.3,8.1 29.1,7.9 25.1,7.9 25,8 16.7,8
VCC_3.3V on BOTTOM: 25.1,9.5 29.1,9.5 29.3,9.3 29.3,8.1 29.1,7.9 25.1,7.9 24.9,8.1 24.9,9.3
VCC_5V on TOP: 16.6,18.8 27.4,18.8 27.8,19.2 27.8,20.1 27.5,20.4 16.7,20.4 16.6,20.3
VCC_5V on TOP: 13.1,31.9 16.3,31.9 17,31.2 17,29.5 16.5,29 13.8,29 13,29.8 13,31.8
VCC_5V on BOTTOM: 13.1,31.9 16.3,31.9 17,32.6 17.5,32.6 17.8,32.3 17.8,29.3 17.5,29 13.4,29 13,29.4 13,31.8
VCC_12V on TOP: 3.6,24.7 14.9,24.7 15.9,23.7 15.9,15.6 16.3,15.2 20.2,15.2 20.9,14.5 23,14.5 23,13.9 22.8,13.7 16,13.7 15.6,13.3 15.6,4.6 16.1,4.1 22.8,4.1 22.8,3 22.4,2.6 14.9,2.6 13.2,4.3 13.2,11 11.3,12.9 11.3,18.1 9.8,19.6 3.6,19.6
N17225628 on TOP: 16.6,17.2 16.6,15.8 16.8,15.6 20.4,15.6 21.2,14.8 22.8,14.8 22.9,14.9 22.9,15.5 22.8,15.6 21.6,15.6 20.4,16.8 20.4,17.2
N17266991 on TOP: 22.9,4.4 16.9,4.4 16.6,4.7 16.6,6 20.4,6 21.3,5.1 22.9,5.1

Small or netless copper shapes (teardrops, artwork), in the pictures only: 514 on TOP, 91 on BOTTOM

## Text on the board
Ref Des/Silkscreen Bottom: 5V | GND | AD0_DP1 | AD0_DM1 | 3V3 | AD1_DP1 | AD1_DM1 | D5 | AD0_DP0 | AD0_DM0 | D3 | D4 | AD1_DP0 | AD1_DM0 | D1 | D2 | DAC0_OUT | C18 | D0 | VREF | C16 | C17 | C14 | C15 | C12 | C13 | C10 | C11 | C8 | C9 | C6 | C7 | C4 | C5 | C2 | C3 | C0 | C1 | B18 | B19 | B16 | B17 | NAME:MK60_PACK_V30A.BRD | DATE:2019_09_07
Ref Des/Silkscreen Top: DC9-12V | 5V | 3V3 | Y | Z | X | CAN-L | CAN-H | 485-A | 485-B | 485-T | 485-R | JTAG | KEY1 | RESET | GND | VCC | U0-TXD | U0-RXD
BODY_CENTER: FIGURE | FINISHED_SIZE | 0.3048 | 0.9 | 1.1 | 1.8 | 3.0x1.0 | DRILL CHART: TOP to BOTTOM | ALL UNITS ARE IN MILLIMETERS | ROTATION | - | 90.000 | 0.000 | PLATED | QTY | 301 | 14 | 78 | 6 | 2 | 1 | 402 | TOTAL HOLES:
